# KiCad board Master Timing Card.kicad_pcb (continued)
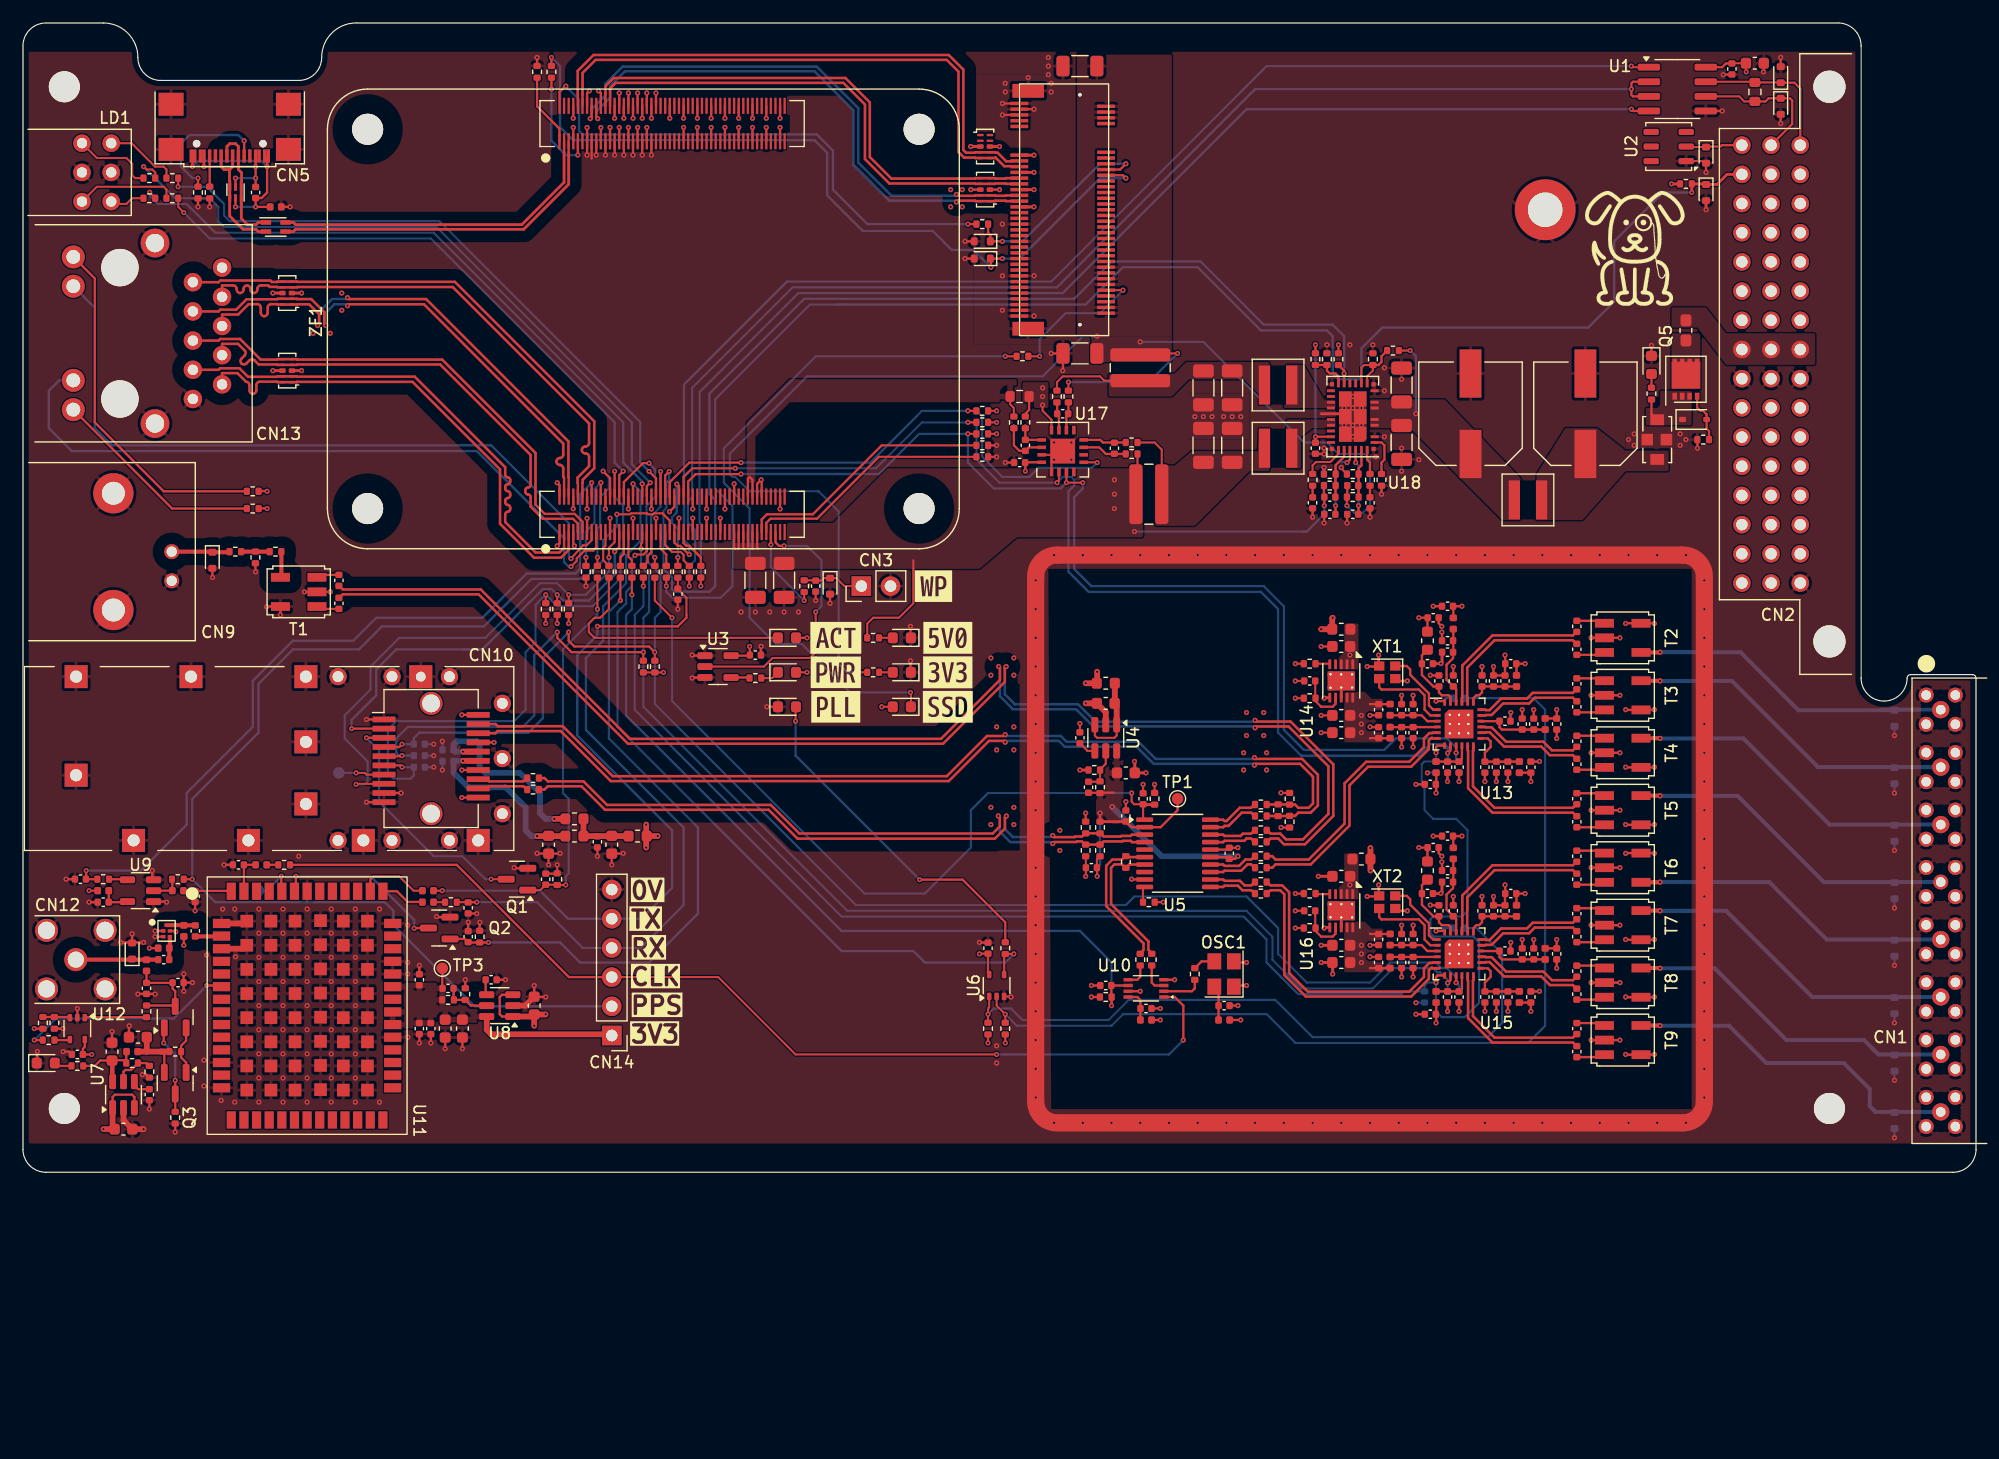
[diagram p0: board, top side]
## Footprints (pads in the part's own frame, mm; a bottom-side part is the same pattern mirrored in y, then rotated) (continued)
TE_1-2301994-2
  round 3.25 hole 3.25 unplated: (-5.715,8.44) (5.715,8.44)
  round 1.6 hole 0.9: 1(-5.715,17.33) 2(-4.445,14.79) 3(-3.175,17.33) 4(-1.905,14.79) 5(-0.635,17.33) 6(0.635,14.79) 7(1.905,17.33) 8(3.175,14.79) 9(4.445,17.33) 10(5.715,14.79)
  round 2.5 hole 1.6: 11(-7.855,11.49) 11(7.855,11.49)
  round 2 hole 1.2: L1(-6.645,4.38) L2(-4.095,4.38) L3(6.645,4.38) L4(4.095,4.38)
TestPoint_Pad_D1.0mm
  round 1 smd: 1(0,0)
Texas_VQFN-16-1EP_RGV0016A
  rect 0.75x0.305 smd: 1(-1.825,0.975) 2(-1.825,0.325) 3(-1.825,-0.325) 4(-1.825,-0.975) 9(1.825,-0.975) 10(1.825,-0.325) 11(1.825,0.325) 12(1.825,0.975)
  rect 0.305x0.75 smd: 5(-0.975,-1.825) 6(-0.325,-1.825) 7(0.325,-1.825) 8(0.975,-1.825) 13(0.975,1.825) 14(0.325,1.825) 15(-0.325,1.825) 16(-0.975,1.825)
  rect 2.16x2.16 smd: 17(0,0)
TPD4E05U06DQA
  rrect 0.565x0.2 smd: 1(-0.417,1) 2(-0.417,0.5) 4(-0.417,-0.5) 5(-0.417,-1) 6(0.417,-1) 7(0.417,-0.5) 9(0.417,0.5) 10(0.417,1)
  rrect 0.565x0.4 smd: 3(-0.417,0) 8(0.417,0)
TSOC-6_3.76x3.94mm_P1.27mm
  rrect 1.33x0.53 smd: 1(-1.525,1.27) 2(-1.525,0) 3(-1.525,-1.27) 4(1.525,-1.27) 5(1.525,0) 6(1.525,1.27)
TSSOP-20_4.4x6.5mm_P0.65mm
  rrect 1.475x0.4 smd: 1(-2.862,2.925) 2(-2.862,2.275) 3(-2.862,1.625) 4(-2.862,0.975) 5(-2.862,0.325) 6(-2.862,-0.325) 7(-2.862,-0.975) 8(-2.862,-1.625) 9(-2.862,-2.275) 10(-2.862,-2.925) 11(2.862,-2.925) 12(2.862,-2.275) 13(2.862,-1.625) 14(2.862,-0.975) 15(2.862,-0.325) 16(2.862,0.325) 17(2.862,0.975) 18(2.862,1.625) 19(2.862,2.275) 20(2.862,2.925)
TVS_ST_USBLC6-2M6
  rect 0.25x0.65 smd: 1(-0.5,-0.475) 2(0,-0.475) 3(0.5,-0.475) 4(0.5,0.475) 5(0,0.475) 6(-0.5,0.475)
uBlox_ZED
  rect 1.55x0.75 smd: (-9.95,6.6) (-9.95,5.5) (-9.95,4.4) (-9.95,3.3) (-9.95,2.2) (-9.95,1.1) (-9.95,0) (-9.95,-1.1) (-9.95,-2.2) (-9.95,-3.3) (-9.95,-4.4) (-9.95,-5.5) (-9.95,-6.6) (9.95,6.6) (9.95,5.5) (9.95,4.4) (9.95,3.3) (9.95,2.2) (9.95,1.1) (9.95,0) (9.95,-1.1) (9.95,-2.2) (9.95,-3.3) (9.95,-4.4) (9.95,-5.5) (9.95,-6.6)
  rect 0.75x1.55 smd: (-7.15,7.45) (-7.15,-7.45) (-6.05,7.45) (-6.05,-7.45) (-4.95,7.45) (-4.95,-7.45) (-3.85,7.45) (-3.85,-7.45) (-2.75,7.45) (-2.75,-7.45) (-1.65,7.45) (-1.65,-7.45) (-0.55,7.45) (-0.55,-7.45) (0.55,7.45) (0.55,-7.45) (1.65,7.45) (1.65,-7.45) (2.75,7.45) (2.75,-7.45) (3.85,7.45) (3.85,-7.45) (4.95,7.45) (4.95,-7.45) (6.05,7.45) (6.05,-7.45) (7.15,7.45) (7.15,-7.45)
  rect 0.8x1.5 smd: 1(-7.15,-7.45) 2(-6.05,-7.45) 3(-4.95,-7.45) 4(-3.85,-7.45) 5(-2.75,-7.45) 6(-1.65,-7.45) 7(-0.55,-7.45) 8(0.55,-7.45) 9(1.65,-7.45) 10(2.75,-7.45) 11(3.85,-7.45) 12(4.95,-7.45) 13(6.05,-7.45) 14(7.15,-7.45) 28(7.15,7.45) 29(6.05,7.45) 30(4.95,7.45) 31(3.85,7.45) 32(2.75,7.45) 33(1.65,7.45) 34(0.55,7.45) 35(-0.55,7.45) 36(-1.65,7.45) 37(-2.75,7.45) 38(-3.85,7.45) 39(-4.95,7.45) 40(-6.05,7.45) 41(-7.15,7.45)
  rect 1.5x0.8 smd: 15(9.95,-6.6) 16(9.95,-5.5) 17(9.95,-4.4) 18(9.95,-3.3) 19(9.95,-2.2) 20(9.95,-1.1) 21(9.95,0) 22(9.95,1.1) 23(9.95,2.2) 24(9.95,3.3) 25(9.95,4.4) 26(9.95,5.5) 27(9.95,6.6) 42(-9.95,6.6) 43(-9.95,5.5) 44(-9.95,4.4) 45(-9.95,3.3) 46(-9.95,2.2) 47(-9.95,1.1) 48(-9.95,0) 49(-9.95,-1.1) 50(-9.95,-2.2) 51(-9.95,-3.3) 52(-9.95,-4.4) 53(-9.95,-5.5) 54(-9.95,-6.6)
  rect 1.1x1.1 smd: 55(-7.39,1.171) 55(-7.35,5.25) 55(-7.35,3.15) 55(-7.35,-1.05) 55(-7.35,-3.15) 55(-7.35,-5.25) 55(-5.29,1.171) 55(-5.25,5.25) 55(-5.25,3.15) 55(-5.25,-1.05) 55(-5.25,-3.15) 55(-5.25,-5.25) 55(-3.19,1.171) 55(-3.15,5.25) 55(-3.15,3.15) 55(-3.15,-1.05) 55(-3.15,-3.15) 55(-3.15,-5.25) 55(-1.09,1.171) 55(-1.05,5.25) 55(-1.05,3.15) 55(-1.05,-1.05) 55(-1.05,-3.15) 55(-1.05,-5.25) 55(1.01,1.171) 55(1.05,5.25) 55(1.05,3.15) 55(1.05,-1.05) 55(1.05,-3.15) 55(1.05,-5.25) 55(3.11,1.171) 55(3.15,5.25) 55(3.15,3.15) 55(3.15,-1.05) 55(3.15,-3.15) 55(3.15,-5.25) 55(5.21,1.171) 55(5.25,5.25) 55(5.25,3.15) 55(5.25,-1.05) 55(5.25,-3.15) 55(5.25,-5.25) 55(7.31,1.171) 55(7.35,5.25) 55(7.35,3.15) 55(7.35,-1.05) 55(7.35,-3.15) 55(7.35,-5.25)
USB-C_GCT_USB4110-GF-A
  round 0.65 hole 0.65 unplated: (-2.89,6.28) (2.89,6.28)
  rect 0.3x1.15 smd: A1(-3.35,7.355) A4(-2.55,7.355) A5(-1.25,7.355) A6(-0.25,7.355) A7(0.25,7.355) A8(1.25,7.355) A9(2.55,7.355) A12(3.35,7.355) B1(3.05,7.355) B4(2.25,7.355) B5(1.75,7.355) B6(0.75,7.355) B7(-0.75,7.355) B8(-1.75,7.355) B9(-2.25,7.355) B12(-3.05,7.355)
  rect 2.18x2 smd: SH(-5.11,6.78) SH(-5.11,2.85) SH(5.11,6.78) SH(5.11,2.85)
VSSOP-8_2.3x2mm_P0.5mm
  rect 0.8x0.3 smd: 1(-1.55,0.75) 2(-1.55,0.25) 3(-1.55,-0.25) 4(-1.55,-0.75) 5(1.55,-0.75) 6(1.55,-0.25) 7(1.55,0.25) 8(1.55,0.75)
Wurth_WCAP-HSG5_8x10.5mm_SM
  rect 4.2x1.9 smd: 1(3.5,0) 2(-3.5,0)

## Nets
0V: C1.2 C2.2 C3.2 C4.2 C5.2 C6.2 C9.2 C10.2 C11.2 C12.2 C13.2 C15.2 C16.2 C17.2 C18.2 C19.2 C22.2 C23.2 C24.2 C25.2 C26.2 C27.2 C28.2 C29.2 C30.2 C31.2 C32.2 C33.2 C34.2 C35.2 C36.2 C37.2 C38.2 C39.2 C41.2 C42.2 C43.2 C44.2 C45.2 C46.2 C47.2 C48.2 C49.2 C50.2 C51.2 C52.2 C53.2 C54.2 C56.2 C58.2 C59.2 C60.2 C61.2 C62.2 C63.2 C64.2 C65.2 C66.2 C67.2 C68.2 C69.2 C70.2 C71.2 C72.2 C73.2 C74.2 C75.2 C76.2 C77.2 C78.2 C79.2 C80.2 C81.2 C82.2 C83.2 C84.2 C85.2 C86.2 C87.2 C88.2 C89.2 C90.2 C91.2 C92.2 C101.2 C102.2 C103.2 C104.2 C105.2 C106.2 C107.2 C108.2 C109.2 C110.2 C111.2 C112.2 C113.2 C114.2 C115.2 C116.2 C117.2 C118.2 C119.2 C120.2 C121.2 C122.2 C123.2 C124.2 C125.2 C126.2 C127.2 C128.2 C129.2 C130.2 C131.2 C132.2 C133.2 C134.2 C135.2 C144.2 C146.2 C147.2 C148.2 C149.2 C150.2 C151.2 C152.2 C153.2 C154.2 C155.2 C156.2 C157.2 C158.2 CN1.SH1 CN1.SH2 CN1.SH3 CN1.SH4 CN1.SH5 CN1.SH6 CN1.SH7 CN1.SH8 CN2.a9 CN2.a16 CN2.b9 CN2.c9 CN3.2 CN4.1 CN4.2 CN4.7 CN4.8 CN4.13 CN4.14 CN4.22 CN4.23 CN4.32 CN4.33 CN4.42 CN4.43 CN4.52 CN4.53 CN4.59 CN4.60 CN4.65 CN4.66 CN4.71 CN4.74 CN4.98 CN5.SH CN6.107 CN6.108 CN6.113 CN6.114 CN6.115 CN6.117 CN6.119 CN6.120 CN6.121 CN6.123 CN6.125 CN6.126 CN6.127 CN6.128 CN6.129 CN6.130 CN6.131 CN6.132 CN6.133 CN6.134 CN6.135 CN6.136 CN6.137 CN6.138 CN6.139 CN6.140 CN6.141 CN6.142 CN6.144 CN6.150 CN6.155 CN6.156 CN6.161 CN6.162 CN6.167 CN6.168 CN6.173 CN6.174 CN6.179 CN6.180 CN6.185 CN6.186 CN6.191 CN6.192 CN6.197 CN6.198 CN7.1 CN7.3 CN7.9 CN7.15 CN7.21 CN7.27 CN7.33 CN7.39 CN7.45 CN7.51 CN7.57 CN7.71 CN7.73 CN7.75 CN7.76 CN8.1 CN9.2 CN10.1 CN11.1 CN11.9 CN11.10 CN11.11 CN11.14 CN11.17 CN11.20 CN12.2 CN13.10 CN13.11 CN14.6 D1.2 D2.2 D3.2 D4.2 D5.2 D6.2 D7.2 D8.2 D9.2 D10.2 D11.2 D12.2 D14.3 D14.8 D15.2 D16.2 D17.3 D17.8 D18.2 D19.2 D20.3 D20.8 D21.3 D21.8 D22.2 FB1.1 FL2.2 FL2.3 FL2.5 FL3.2 L3.2 L4.2 LD1.2 LD1.5 LD5.1 LD6.1 LD7.1 LD8.1 LD9.1 OSC1.1 OSC1.2 Q1.2 Q2.2 R14.1 R15.1 R24.2 R31.2 R32.2 R33.1 R37.2 R39.2 R42.2 R43.2 R46.2 R52.1 R53.2 R60.2 R62.2 R71.2 R73.2 R74.2 R78.2 R80.2 R83.2 R86.2 R88.2 R91.2 R93.2 R94.2 R98.2 R100.2 R103.2 R109.2 R111.2 SH1.1 T1.2 T1.4 T2.2 T2.4 T3.2 T3.6 T4.2 T4.6 T5.2 T5.6 T6.2 T6.4 T7.2 T7.6 T8.2 T8.6 T9.2 T9.6 U1.5 U2.1 U3.1 U3.3 U4.2 U5.9 U5.16 U6.3 U7.2 U8.2 U9.1 U9.3 U10.4 U10.7 U11.1 U11.3 U11.12 U11.14 U11.32 U11.37 U11.38 U11.41 U11.48 U11.55 U12.2 U13.25 U14.8 U14.11 U15.25 U16.8 U16.11 U17.3 U17.5 U17.17 U18.2 U18.10 U18.33 U18.34 U18.35 U18.36 U18.37 U18.38 U18.MNT XT1.2 XT1.4 XT2.2 XT2.4
1V8: CN4.88 CN4.90 FB6.2
3V3: C1.1 C2.1 C3.1 C19.1 C56.1 C83.1 C126.1 C154.1 CN4.78 FB3.1 FB4.2 FB8.2 FB20.1 FB29.1 LD2.2 LD3.2 LD4.2 R7.1 R8.1 R10.1 R11.1 R17.1 R25.1 R26.1 R28.2 R29.1 R45.1 R47.1 R82.1 R89.1 R90.1 R96.1 R104.1 R105.1 U1.8 U3.5 U6.5 U12.5 U17.4 U17.16
3V3_PCIE: C9.1 C10.1 C160.1 CN7.2 CN7.4 CN7.12 CN7.14 CN7.16 CN7.18 CN7.70 CN7.72 CN7.74 R107.2 R110.1 R113.1 R117.1
5V0_PI: C4.1 C5.1 C32.1 C33.1 C159.1 CN4.77 CN4.79 CN4.81 CN4.83 CN4.85 CN4.87 FB2.1 FB19.1 FB28.1 R106.2 R108.1 R112.1 R115.1 U7.1 U7.3 U8.1 U8.3
12V: CN2.a8 CN2.b8 CN2.c8 F1.1
/GPS/VCC_GNSS: C40.1 C42.1 C43.1 C50.1 C51.1 C52.1 CN14.1 R72.1 TP3.1 U8.6 U11.33 U11.34 U11.36
/Pi CM4 - GPIO/3V3_R: CN4.84 CN4.86 R28.1 R30.1
/Pi CM4 - GPIO/3V3_SENSE_N: C7.1 R29.2 U17.1
/Pi CM4 - GPIO/3V3_SENSE_P: C7.2 R30.2 U17.2
/PLL and SFP/Frequency Synthesiser 1/1V8_PLL: C58.1 C59.1 C60.1 C61.1 C62.1 C63.1 C64.1 C91.1 C92.1 FB12.1 FB13.1 FB14.1 FB15.1 FB16.1 FB17.1 FB18.1 U14.9 U14.10
/PLL and SFP/Frequency Synthesiser 1/1V8_VDDA: C71.1 C78.1 FB18.2 U13.23
/PLL and SFP/Frequency Synthesiser 1/1V8_VDDO0: C65.1 C72.1 C79.1 FB12.2 U13.22
/PLL and SFP/Frequency Synthesiser 1/1V8_VDDO1: C66.1 C73.1 C80.1 FB13.2 U13.19
/PLL and SFP/Frequency Synthesiser 1/1V8_VDDO2: C67.1 C74.1 C81.1 FB14.2 U13.16
/PLL and SFP/Frequency Synthesiser 1/1V8_VDDO3: C68.1 C75.1 C82.1 FB15.2 U13.13
/PLL and SFP/Frequency Synthesiser 1/1V8_VDDREF: C70.1 C77.1 FB17.2 U13.4
/PLL and SFP/Frequency Synthesiser 1/1V8_VDDXO: C69.1 C76.1 FB16.2 U13.3
/PLL and SFP/Frequency Synthesiser 1/3V3_VDDD: C86.1 C88.1 FB20.2 U13.10
/PLL and SFP/Frequency Synthesiser 1/VIN: C85.1 FB19.2 U14.1 U14.2 U14.3 U14.6
/PLL and SFP/Frequency Synthesiser 2/1V8_PLL: C101.1 C102.1 C103.1 C104.1 C105.1 C106.1 C107.1 C134.1 C135.1 FB21.1 FB22.1 FB23.1 FB24.1 FB25.1 FB26.1 FB27.1 U16.9 U16.10
/PLL and SFP/Frequency Synthesiser 2/1V8_VDDA: C114.1 C121.1 FB27.2 U15.23
/PLL and SFP/Frequency Synthesiser 2/1V8_VDDO0: C108.1 C115.1 C122.1 FB21.2 U15.22
/PLL and SFP/Frequency Synthesiser 2/1V8_VDDO1: C109.1 C116.1 C123.1 FB22.2 U15.19
/PLL and SFP/Frequency Synthesiser 2/1V8_VDDO2: C110.1 C117.1 C124.1 FB23.2 U15.16
/PLL and SFP/Frequency Synthesiser 2/1V8_VDDO3: C111.1 C118.1 C125.1 FB24.2 U15.13
/PLL and SFP/Frequency Synthesiser 2/1V8_VDDREF: C113.1 C120.1 FB26.2 U15.4
/PLL and SFP/Frequency Synthesiser 2/1V8_VDDXO: C112.1 C119.1 FB25.2 U15.3
/PLL and SFP/Frequency Synthesiser 2/3V3_VDDD: C129.1 C131.1 FB29.2 U15.10
/PLL and SFP/Frequency Synthesiser 2/VIN: C128.1 FB28.2 U16.1 U16.2 U16.3 U16.6
/PLL and SFP/VDD_MUX: C13.1 C14.1 C15.1 C17.1 C18.1 R38.1 R40.1 R41.1 TP1.1 U4.6 U5.2 U5.15
/Power Supplies/3V3_R: C156.1 C158.1 L8.2 R107.1 R116.1
/Power Supplies/5V0_R: C155.1 C157.1 L7.2 R106.1 R114.1
/Power Supplies/5V0_SENSE_N: C161.2 R115.2 U17.11
/Power Supplies/5V0_SENSE_P: C161.1 R114.2 U17.12
/Power Supplies/12V_DCDC: C146.1 C147.1 C148.1 L6.2 R97.1 U18.4 U18.5 U18.7 U18.8
/Power Supplies/12V_F: F1.2 Q5.5 Q5.6 Q5.7 Q5.8
/Power Supplies/12V_FILT: C144.1 FL3.3 L6.1
/Power Supplies/12V_PROT: FL3.1 Q5.1 Q5.2 Q5.3 R95.1 ZD1.1
/CM4 Interfaces/ETHA_N: CN4.10 CN13.3 D21.4 D21.7
/CM4 Interfaces/ETHA_P: CN4.12 CN13.2 D21.5 D21.6
/CM4 Interfaces/ETHB_N: CN4.6 CN13.5 D21.1 D21.10
/CM4 Interfaces/ETHB_P: CN4.4 CN13.4 D21.2 D21.9
/CM4 Interfaces/ETHC_N: CN4.9 CN13.7 D20.4 D20.7
/CM4 Interfaces/ETHC_P: CN4.11 CN13.6 D20.5 D20.6
/CM4 Interfaces/ETHD_N: CN4.5 CN13.9 D20.1 D20.10
/CM4 Interfaces/ETHD_P: CN4.3 CN13.8 D20.2 D20.9
/CM4 Interfaces/PTP_PPS: C31.1 CN4.16 R66.1
/CM4 Interfaces/~{ETH_ACT}: CN4.15 CN13.L2
/CM4 Interfaces/~{ETH_LINK}: CN4.17 CN13.L4
/GPS/CLK_SEL: C38.1 R12.1 R74.1 U10.6
/GPS/GNSS_CLK: CN14.3 R75.1 U10.1
/GPS/GNSS_CLK_M: C44.1 FB7.2 U11.53
/GPS/GNSS_PPS: CN4.49 CN14.2 R69.1
/GPS/GNSS_PPS_M: C39.1 FB5.2 U11.54
/GPS/GNSS_RESET: C48.1 Q2.1 R18.2 R78.1
/GPS/GNSS_RX: C46.1 CN4.34 CN14.4 R77.2
/GPS/GNSS_TX: C47.1 CN14.5 FB11.1 R9.2
/GPS/REF_CLK_N: R44.2 R68.1 U5.7
/GPS/REF_CLK_P: R44.1 R67.1 U5.6
/GPS/~{ANT_SHORT}: R85.2 U11.6
/ONEWIRE_ADDRESS: CN2.c2 D22.1 R23.2 R96.2
/Pi CM4 - GPIO/COMMS_GREEN: CN4.28 R4.1
/Pi CM4 - GPIO/COMMS_RED: CN4.40 R3.1
/Pi CM4 - GPIO/PCIE_PWR_GOOD: CN4.48 R105.2 U18.15
/Pi CM4 - GPIO/PWR_CRITICAL: CN4.50 R104.2 U17.9
/Pi CM4 - GPIO/STATUS_GREEN: CN4.38 R2.1
/Pi CM4 - GPIO/STATUS_RED: CN4.44 R1.1
/Pi CM4 - HPIO/D_N: CN6.103 FL1.2
/Pi CM4 - HPIO/D_P: CN6.105 FL1.4
/Pi CM4 - HPIO/PCIE_PER0_N: CN6.118 CN7.41 D17.1 D17.10
/Pi CM4 - HPIO/PCIE_PER0_P: CN6.116 CN7.43 D17.2 D17.9
/Pi CM4 - HPIO/PCIE_PET0_N: CN6.124 CN7.47 D17.4 D17.7
/Pi CM4 - HPIO/PCIE_PET0_P: CN6.122 CN7.49 D17.5 D17.6
/Pi CM4 - HPIO/PCIE_REFCLK_N: CN6.112 CN7.53 D14.5 D14.6
/Pi CM4 - HPIO/PCIE_REFCLK_P: CN6.110 CN7.55 D14.4 D14.7
/Pi CM4 - HPIO/USB_N: CN5.A7 CN5.B7 D13.3 D13.4 FL1.1
/Pi CM4 - HPIO/USB_P: CN5.A6 CN5.B6 D13.1 D13.6 FL1.3
/Pi CM4 - HPIO/~{PCIE_CLK_REQ}: CN6.102 R35.1
/Pi CM4 - HPIO/~{PCIE_RST}: CN7.50 D15.1 R34.2
/PLL and SFP/CLK_SEL: C16.1 R19.2 R43.1 U5.1
/PLL and SFP/CLKA_N: R50.1 U5.19
/PLL and SFP/CLKA_P: R49.1 U5.20
/PLL and SFP/CLKB_N: R55.1 U5.17
/PLL and SFP/CLKB_P: R54.1 U5.18
/PLL and SFP/CLKC_N: R57.1 U5.13
/PLL and SFP/CLKC_P: R56.1 U5.14
/PLL and SFP/CLKD_N: R59.1 U5.11
/PLL and SFP/CLKD_P: R58.1 U5.12
/PLL and SFP/EXT_CLK_N: C21.1 R55.2
/PLL and SFP/EXT_CLK_P: C20.1 R54.2
/PLL and SFP/Frequency Synthesiser 1/RF1_N: C94.1 U13.21
/PLL and SFP/Frequency Synthesiser 1/RF1_P: C93.1 U13.20
/PLL and SFP/Frequency Synthesiser 1/RF2_N: C96.1 U13.17
/PLL and SFP/Frequency Synthesiser 1/RF2_P: C95.1 U13.18
/PLL and SFP/Frequency Synthesiser 1/RF3_N: C98.1 U13.14
/PLL and SFP/Frequency Synthesiser 1/RF3_P: C97.1 U13.15
/PLL and SFP/Frequency Synthesiser 1/RF4_N: C100.1 U13.11
/PLL and SFP/Frequency Synthesiser 1/RF4_P: C99.1 U13.12
/PLL and SFP/Frequency Synthesiser 1/~{PLL_LOCK_OD}: R45.2 R87.2 U6.2
/PLL and SFP/Frequency Synthesiser 2/RF1_N: C137.1 U15.21
/PLL and SFP/Frequency Synthesiser 2/RF1_P: C136.1 U15.20
/PLL and SFP/Frequency Synthesiser 2/RF2_N: C139.1 U15.17
/PLL and SFP/Frequency Synthesiser 2/RF2_P: C138.1 U15.18
/PLL and SFP/Frequency Synthesiser 2/RF3_N: C141.1 U15.14
/PLL and SFP/Frequency Synthesiser 2/RF3_P: C140.1 U15.15
/PLL and SFP/Frequency Synthesiser 2/RF4_N: C143.1 U15.11
/PLL and SFP/Frequency Synthesiser 2/RF4_P: C142.1 U15.12
/PLL and SFP/Frequency Synthesiser 2/~{PLL_LOCK_OD}: R47.2 R92.2 U6.1
/PLL and SFP/PLL1_CLK_N: R57.2 U13.6
/PLL and SFP/PLL1_CLK_P: R56.2 U13.5
/PLL and SFP/PLL1_SCL: C87.1 CN4.56 R8.2 U13.8 U17.6
/PLL and SFP/PLL1_SDA: C89.1 CN4.58 R7.2 U13.9 U17.7
/PLL and SFP/PLL2_CLK_N: R59.2 U15.6
/PLL and SFP/PLL2_CLK_P: R58.2 U15.5
/PLL and SFP/PLL2_SCL: C26.1 C130.1 CN4.37 CN11.5 R11.2 U15.8
/PLL and SFP/PLL2_SDA: C25.1 C132.1 CN4.30 CN11.4 R10.2 U15.9
/PLL and SFP/PLL_LOCK: CN4.39 R48.2 U6.4
/PLL and SFP/PLL_OE: C84.1 C127.1 R21.2 U13.7 U15.7
/PLL and SFP/REFCLK_R_N: CN11.13 R65.2
/PLL and SFP/REFCLK_R_P: CN11.12 R64.2
/PLL and SFP/SFP_LOS_OD: CN4.25 CN11.8 R26.2
/PLL and SFP/SFP_REFCLK_N: R39.1 R40.2 R65.1 U5.4
/PLL and SFP/SFP_REFCLK_P: R37.1 R38.2 R64.1 U5.3
/PLL and SFP/SFP_TX_DISABLE: C22.1 Q1.1 R22.2 R60.1
/PLL and SFP/SFP_TX_FAULT_OD: CN4.27 CN11.2 R17.2
/PLL and SFP/SFP_TX_N: CN11.19 R50.2 R51.2 R53.1
/PLL and SFP/SFP_TX_P: CN11.18 R49.2 R51.1 R52.2
/PLL and SFP/~{SFP_PRESENT}: C29.1 CN4.26 CN11.6 R25.2
/Power Supplies/PCIE_SENSE_N: C162.2 R117.2 U17.14
/Power Supplies/PCIE_SENSE_P: C162.1 R116.2 U17.15
/Power Supplies/SW1: L7.1 U18.22 U18.23
/Power Supplies/SW2: L8.1 U18.19 U18.20
/RF1: CN1.1 D1.1 T2.6
/RF2: CN1.2 D2.1 T3.4
/RF3: CN1.3 D3.1 T4.4
/RF4: CN1.4 D4.1 T5.4
/RF5: CN1.5 D5.1 T6.6
/RF6: CN1.6 D7.1 T7.4
/RF7: CN1.7 D8.1 T8.4
/RF8: CN1.8 D11.1 T9.4
/RS485_A: CN2.b1 D9.1 R5.2 U1.6
/RS485_B: CN2.a1 D10.1 R5.1 U1.7
/RS485_RX: CN4.51 U1.1
/RS485_TX: R13.2 U1.4
/RS485_~{R}/W: R20.2 U1.2 U1.3
Net-(C8-Pad1): C8.1 CN5.A4 CN5.A9 CN5.B4 CN5.B9 D13.5
Net-(C8-Pad2): C8.2 CN5.A1 CN5.A12 CN5.B1 CN5.B12 D13.2 FB1.2
Net-(C20-Pad2): C20.2 T1.1
Net-(C21-Pad2): C21.2 T1.3
Net-(C23-Pad1): C23.1 C24.1 FB3.2 L1.1 L2.1
Net-(C93-Pad2): C93.2 T2.1
Net-(C94-Pad2): C94.2 T2.3
Net-(C95-Pad2): C95.2 T3.3
Net-(C96-Pad2): C96.2 T3.1
Net-(C97-Pad2): C97.2 T4.3
Net-(C98-Pad2): C98.2 T4.1
Net-(C99-Pad2): C99.2 T5.3
Net-(C100-Pad2): C100.2 T5.1
Net-(C136-Pad2): C136.2 T6.1
Net-(C137-Pad2): C137.2 T6.3
Net-(C138-Pad2): C138.2 T7.3
Net-(C139-Pad2): C139.2 T7.1
Net-(C140-Pad2): C140.2 T8.3
Net-(C141-Pad2): C141.2 T8.1
Net-(C142-Pad2): C142.2 T9.3
Net-(C143-Pad2): C143.2 T9.1
Net-(C152-Pad1): C152.1 R101.1
Net-(C153-Pad1): C153.1 R102.1
Net-(CN3-Pin_1): C6.1 CN3.1 D12.1 R16.2
Net-(CN4A-BT_nDisable): CN4.91 R15.2
Net-(CN4A-EEPROM_nWP): CN4.20 R24.1
Net-(CN4A-nPI_LED_PWR): CN4.95 U3.2
Net-(CN4A-nRPIBOOT): CN4.93 R16.1
Net-(CN4A-PI_nLED_Activity): CN4.21 R27.2
Net-(CN4A-WiFi_nDisable): CN4.89 R14.2
Net-(CN4D-GPIO4): CN4.54 R9.1
Net-(CN4D-GPIO12): CN4.31 R12.2
Net-(CN4D-GPIO14): CN4.55 R13.1
Net-(CN4D-GPIO16): CN4.29 R18.1
Net-(CN4D-GPIO22): CN4.46 R19.1
Net-(CN4D-GPIO23): CN4.47 R20.1
Net-(CN4D-GPIO24): CN4.45 R23.1
Net-(CN4D-GPIO25): CN4.41 R21.1
Net-(CN4D-GPIO26): CN4.24 R22.1
Net-(CN5-CC1): CN5.A5 R31.1
Net-(CN5-CC2): CN5.B5 R32.1
Net-(CN6A-PCIe_nRST): CN6.109 R34.1
Net-(CN6A-USB_OTG_ID): CN6.101 R33.2
Net-(CN7-~{CLKREQ}): CN7.52 D16.1 R35.2
Net-(CN7-~{LED1}): CN7.10 R36.2
Net-(CN9-In): CN9.1 D18.1 R63.2
Net-(CN11-RATE_SELECT): CN11.7 TP2.1
Net-(CN11-TX_DISABLE): CN11.3 Q1.3
Net-(CN11-VccR): C28.1 C30.1 CN11.15 L2.2
Net-(CN11-VccT): C27.1 CN11.16 L1.2
Net-(CN12-In): C57.2 CN12.1 D19.1 L5.2
Net-(CN13-PadL1): CN13.L1 R89.2
Net-(CN13-PadL3): CN13.L3 R90.2
Net-(D6-K): CN2.c1 D6.1 U2.2
Net-(FB5-Pad1): FB5.1 R69.2 U9.2
Net-(FB7-Pad1): FB7.1 R75.2
Net-(FB10-Pad1): FB10.1 R77.1
Net-(FL2-IN): C55.1 FL2.1 L3.1
Net-(FL2-OUT): C57.1 FL2.4 L4.1
Net-(LD1-Pad1): LD1.1 R1.2
Net-(LD1-Pad3): LD1.3 R2.2
Net-(LD1-Pad4): LD1.4 R3.2
Net-(LD1-Pad6): LD1.6 R4.2
Net-(LD2-K): LD2.1 R6.1
Net-(LD3-K): LD3.1 R27.1
Net-(LD4-K): LD4.1 R36.1
Net-(LD5-A): LD5.2 R48.1
Net-(LD6-A): LD6.2 R76.2
Net-(LD7-A): LD7.2 R95.2
Net-(LD8-A): LD8.2 R112.2
Net-(LD9-A): LD9.2 R113.2
Net-(OSC1-OUT): OSC1.3 R79.2
Net-(OSC1-VCC): C45.1 FB8.1 OSC1.4
Net-(Q2-D): Q2.3 U11.49
Net-(Q3-B): Q3.1 Q4.2 R81.2
Net-(Q3-C): Q3.3 Q4.1 R80.1
Net-(Q3-E): C49.1 FB9.1 Q3.2 R81.1
Net-(Q4-C): C53.1 C54.1 L5.1 Q4.3 R84.1
Net-(R6-Pad2): R6.2 U3.4
Net-(R61-Pad1): R61.1 T1.6
Net-(R61-Pad2): R61.2 R62.1 R63.1
Net-(R66-Pad2): R66.2 U9.4
Net-(R85-Pad1): R85.1 U12.4
Net-(U4-EN): C11.1 FB2.2 U4.1 U4.3
Net-(U4-FB): C14.2 R41.2 R42.1 U4.5
Net-(U4-NR): C12.1 U4.4
Net-(U5-IREF): R46.1 U5.10
Net-(U7-FB): R70.2 R71.1 U7.5
Net-(U7-NR): C34.1 U7.4
Net-(U7-OUT): C41.1 FB9.2 R70.1 R76.1 U7.6
Net-(U8-FB): C40.2 R72.2 R73.1 U8.5
Net-(U8-NR): C35.1 U8.4
Net-(U9-+): C37.1 FB6.1 U9.5
Net-(U10-B): R79.1 U10.2
Net-(U10-VCC): C36.1 FB4.1 U10.8
Net-(U10-Y): R67.2 U10.5
Net-(U10-~{Y}): R68.2 U10.3
Net-(U11-RF_IN): C55.2 U11.2
Net-(U11-RXD/SPI_MOSI): FB11.2 U11.43
Net-(U11-TXD/SPI_MISO): FB10.2 U11.42
Net-(U11-~{SAFEBOOT}): TP4.1 U11.50
Net-(U12-+): R84.2 U12.1
Net-(U12--): R82.2 R83.1 U12.3
Net-(U13-LOCK): R87.1 U13.24
Net-(U13-XIN/REF): U13.1 XT1.1
Net-(U13-XOUT): U13.2 XT1.3
Net-(U14-ILIM): R86.1 U14.5
Net-(U14-SET): C90.1 R88.1 U14.7
Net-(U15-LOCK): R92.1 U15.24
Net-(U15-XIN/REF): U15.1 XT2.1
Net-(U15-XOUT): U15.2 XT2.3
Net-(U16-ILIM): R91.1 U16.5
Net-(U16-SET): C133.1 R93.1 U16.7
Net-(U18-EN1): R97.2 R98.1 U18.11 U18.12
Net-(U18-FB1): C159.2 R108.2 R109.1 U18.28
Net-(U18-FB2): C160.2 R110.2 R111.1 U18.31
Net-(U18-RT): R103.1 U18.1
Net-(U18-SS1): C150.1 U18.29
Net-(U18-SS2): C151.1 U18.30
Net-(U18-SYNC): R99.2 R100.1 U18.16
Net-(U18-VC1): R101.2 U18.27
Net-(U18-VC2): R102.2 U18.32
Net-(U18-VCC): C149.1 R99.1 U18.25
Net-(ZD1-A): Q5.4 R94.1 ZD1.2

Pads without a net: CN2 a2 a3 a4 a5 a6 a7 a10 a11 a12 a13 a14 a15 b2 b3 b4 b5 b6 b7 b10 b11 b12 b13 b14 b15 b16 c3 c4 c5 c6 c7 c10 c11 c12 c13 c14 c15 c16; CN4 18 19 35 36 57 61 62 63 64 67 68 69 70 72 73 75 76 80 82 92 94 96 97 99 100; CN5 A8 B8; CN6 104 106 111 143 145 146 147 148 149 151 152 153 154 157 158 159 160 163 164 165 166 169 170 171 172 175 176 177 178 181 182 183 184 187 188 189 190 193 194 195 196 199 200; CN7 5 6 7 8 11 13 17 19 20 22 23 24 25 26 28 29 30 31 32 34 35 36 37 38 40 42 44 46 48 54 56 58 67 68 69; CN13 1; D14 1 2 9 10; U2 3 4 5 6; U5 5 8; U11 4 5 7 8 9 10 11 13 15 16 17 18 19 20 21 22 23 24 25 26 27 28 29 30 31 35 39 40 44 45 46 47 51 52; U14 4; U16 4; U17 8 10 13; U18 13 14 17 18 24 26

## Via types
v1: diameter 0.45, hole 0.2, Top to Bottom, 800 vias

## Routing (per net, layer and track width the routed paths; a pad name or vN(x,y) marks a point on that pad's centre or on a via; arc(x,y) is an arc through that point)
0V: length 347.8
  Top w0.18: U2.1 146.32,87.98 ; R14.1 v1(84.75,63.25) ; R111.2 114.75,61.24 v1(114.75,61.32) ; C1.2 151.53,95.78 v1(151.5,95.75) ; C80.2 v1(127,44) ; C47.2 v1(57,49) ; v1(51.25,26.75) C23.2 52.22,27.72 v1(52.25,27.75) ; C154.2 v1(85.5,61.75) ; U17.5 89.53,61.77 ; v1(85.25,93) CN7.75 ; C85.2 v1(113,45.75) ; v1(46.75,27.75) 46.72,27.72 C28.2 ; C28.2 v1(45.75,26.75) ; C28.2 44.78,27.72 v1(44.75,27.75) ; 92.52,27.47 C13.2 92.52,25.77 v1(92.5,25.75) ; v1(90.5,69.75) 90.53,69.78 C9.2 v1(89.5,71.25) ; R93.2 v1(110.75,21.25) ; v1(85.25,92) CN7.71 ; C16.2 v1(97.5,33.75) ; v1(77.25,44.5) 77.25,43.54 LD9.1 ; C12.2 v1(92,39.05) ; R88.2 v1(110.75,41.25) ; D6.2 v1(146.5,87) ; v1(109.5,33.01) R52.1 ; v1(26.75,50.5) T1.2 v1(24.5,50.5) ; Q1.2 42.81,26.45 v1(42.75,26.5) ; LD5.1 v1(64.75,40.5) ; v1(39.5,22.5) 39.48,22.52 C46.2 ; R15.1 v1(84.75,62.25) ; v1(77.25,47.5) 77.25,46.54 ; C90.2 v1(110.75,42.75) ; C92.2 v1(113,38.25) ; C22.2 46.47,25.98 R60.2 v1(46.5,26.75) ; FL2.5 13.2,21 13.27,20.92 ; C133.2 v1(110.75,22.75) ; v1(86,15.25) 85.95,15.3 U6.3 ; R46.2 v1(99.25,23.5) ; D12.2 v1(70.25,49.5) ; R24.2 v1(49,51) ; U17.3 90.18,62.42 ; R43.2 v1(98.5,33.75) ; R86.2 v1(110.75,44.25) ; C6.2 v1(69,49.75) ; C123.2 v1(127,24) ; v1(113.25,61.32) R109.2 ; R91.2 v1(110.75,24.25) ; CN7.73 v1(88,92.5) ; C91.2 v1(113,39.75)
  Top w0.2: v1(14,15.75) 13.98,15.77 C53.2 ; v1(120.5,42.75) 119.65,42.75 ; v1(49.1,90.9) CN6.113 v1(49.1,88.51) ; v1(50.1,94.1) 50.3,93.9 CN6.120 ; C62.2 117.27,39.77 v1(117.25,39.75) ; v1(132,35.75) 131.98,35.73 C61.2 ; v1(123.42,24.27) 123.4,24.25 C114.2 ; 113.25,57.23 v1(113.25,56.5) 113.27,56.52 ; CN6.131 v1(52.7,90.91) ; CN6.156 v1(57.5,91.71) ; v1(122.5,23.25) 122.52,23.23 C121.2 ; C45.2 v1(105.75,14.5) ; CN4.98 v1(65.9,57.71) ; CN6.142 v1(54.7,91.71) ; C74.2 v1(130.5,40.25) ; v1(21.2,49.2) 21.23,49.23 T1.4 22.41,48.51 v1(22.4,48.5) ; CN4.7 47.9,54.6 v1(48,54.5) ; CN6.140 v1(54.3,93.91) ; CN4.71 v1(60.7,56.91) ; D15.2 v1(82,79.5) ; L3.2 v1(14,19.75) ; v1(10,15.5) 10.02,15.52 C54.2 11.48,15.52 v1(11.5,15.5) ; C86.2 v1(124,34) ; C3.2 64.23,45.73 v1(64.25,45.75) ; U5.16 105.09,28.08 ; v1(9.25,12.75) 9.23,12.72 C49.2 ; C53.2 v1(14.75,16.5) ; C53.2 13.98,17.23 v1(14,17.25) ; CN6.130 v1(52.3,91.71) ; CN6.180 v1(62.3,91.71) ; v1(109.5,30) 109.51,29.99 R53.2 ; v1(29.9,32.2) 31.42,32.2 ; 122.75,24.25 123.5,24.25 ; v1(142,35.25) 141.98,35.23 T4.6 139.52,35.23 v1(139.5,35.25) ; C88.2 v1(125,34) ; v1(123.5,47.5) 123.23,47.77 C64.2 ; U5.9 96.53,25.47 v1(96.5,25.5) ; 45.47,15.28 v1(45.5,15.25) 44.53,15.25 ; v1(106.5,18.25) 105.5,18.25 ; R73.2 v1(38.5,16.75) ; C19.2 83.27,19.98 v1(83.25,20) ; CN6.137 v1(53.9,88.51) ; C131.2 v1(125,14) ; C111.2 v1(129.25,14) ; CN4.32 v1(52.7,57.71) ; C78.2 122.52,43.23 v1(122.5,43.25) ; C36.2 v1(99,14.25) ; R37.2 v1(92.5,31.25) ; C65.2 123.52,46.98 v1(123.5,47) ; CN11.20 v1(38.2,39.8) ; v1(142,15.25) 141.98,15.23 T8.6 139.52,15.23 v1(139.5,15.25) ; CN6.185 v1(63.5,90.91) ; CN6.129 v1(52.3,88.51) ; C38.2 v1(93,16.25) ; CN4.60 v1(58.3,57.71) ; FL2.3 v1(11.5,20.5) ; U1.5 v1(147.91,92.34) 147.81,92.44 ; C33.2 v1(44.5,16.25) ; v1(128,24) C116.2 C109.2 129,24.23 ; CN6.198 v1(65.9,91.71) ; CN6.155 v1(57.5,90.91) ; v1(117.25,19.75) 117.27,19.77 C105.2 ; U10.4 v1(100.25,16.75) ; CN6.128 v1(51.9,93.91) ; CN6.174 v1(61.1,91.71) ; CN4.1 46.7,54.7 v1(46.5,54.5) ; CN6.138 v1(53.9,91.71) ; v1(139,41.5) T3.2 v1(136.5,41.5) ; R103.2 v1(118.25,59) ; CN6.162 v1(58.7,91.71) ; U10.7 v1(97.25,15.75) ; C48.2 38.75,21.73 v1(38.77,21.75) ; CN6.139 v1(54.3,90.91) ; CN6.121 v1(50.7,88.51) ; CN6.141 v1(54.7,88.51) ; C153.2 v1(117.25,57) ; v1(123.42,44.27) 123.4,44.25 C71.2 ; v1(10.4,8.49) 10.75,8.49 R71.2 ; v1(47.9,57.73) 47.9,57.73 CN4.8 ; C102.2 129.02,24.98 ; C126.2 v1(121.25,13.75) ; CN6.119 v1(50.3,90.9) ; v1(142,47.75) 141.98,47.77 T2.4 139.52,47.77 v1(139.5,47.75) ; v1(142,40.25) 141.98,40.23 T3.6 139.52,40.23 v1(139.5,40.25) ; v1(132,15.75) 131.98,15.73 C104.2 ; D9.2 v1(153,91.25) ; R74.2 v1(93,15.25) ; C69.2 v1(120,41.5) ; C82.2 v1(127.25,34) ; v1(117,44) 118,44 ; v1(105.75,28.25) 105.73,28.23 C17.2 ; C24.2 v1(50,27.5) ; C75.2 v1(128.25,34) ; v1(139,21.5) T7.2 v1(136.5,21.5) ; v1(117,24) 118,24 ; v1(148,95.5) 148.77,95.5 ; v1(129.5,20) 129.48,19.98 C124.2 ; 31.42,39.4 v1(29.9,39.4) ; v1(46.5,60) 46.7,59.8 CN4.2 ; CN6.197 v1(65.9,90.91) ; 36.75,11.97 36.75,11 ; CN11.11 v1(38.2,32.6) ; v1(16.5,51.75) 16.48,51.77 D18.2 ; v1(117.25,18.75) 117.27,18.73 C106.2 ; v1(3.48,12.5) 3.47,12.49 R83.2 ; C81.2 129.48,39.98 v1(129.5,40) ; C120.2 v1(121,17) ; CN6.135 v1(53.5,90.91) ; CN6.125 v1(51.5,88.51) ; CN4.53 v1(57.1,56.91) ; C101.2 v1(122.75,29.25) ; C60.2 v1(133.5,37.75) ; C107.2 123.23,27.77 v1(123.5,27.5) ; CN6.114 49.1,93.9 v1(49.3,94.1) ; v1(139,31.5) T5.2 v1(136.5,31.5) ; C68.2 v1(129.25,34) ; C70.2 v1(120,37) ; CN6.123 v1(51.1,90.91) ; CN4.66 v1(59.5,57.71) ; CN6.161 v1(58.7,90.91) ; CN6.115 49.5,88.2 ; v1(139,26.5) T6.2 v1(136.5,26.5) ; v1(10.5,20) 9.55,20 ; v1(123.5,27) 123.52,26.98 C108.2 ; C118.2 v1(128.25,14) ; D19.2 v1(9.5,20.75) ; C58.2 v1(122.75,49.25) ; v1(32.9,33) 31.42,33 ; v1(118,25) 118,24.1 ; D16.2 v1(82,81) ; CN6.150 v1(56.3,91.71) ; CN4.43 v1(55.1,56.91) ; C51.2 v1(35.5,11.25) ; v1(113.25,62.5) 112.48,62.5 C149.2 ; FL2.2 v1(11.5,21) ; CN6.168 v1(59.9,91.71) ; v1(139.5,20.25) 139.52,20.23 T7.6 141.98,20.23 v1(142,20.25) ; 96,31.38 96,32.14 ; R80.2 v1(13.25,3.5) ; C119.2 v1(121,21.5) ; C63.2 117.27,38.73 v1(117.25,38.75) ; U3.1 58.3,44.95 ; CN6.117 v1(49.9,88.51) ; CN11.17 v1(41,37.4) ; 18.25,26.75 v1(17.5,26.75) ; CN6.132 v1(52.7,93.91) ; v1(3.5,10.5) 4,10.5 C56.2 ; v1(142,30.25) 141.98,30.23 T5.6 139.52,30.23 v1(139.5,30.25) ; C59.2 129.02,44.98 ; U9.1 12.45,23.55 v1(12.5,23.5) ; CN4.52 56.7,57.9 v1(56.28,57.47) ; C35.2 v1(42,16.75) ; C117.2 v1(130.5,20.25) ; C83.2 v1(121.25,33.75) ; R31.2 v1(15.23,84) ; C52.2 v1(34.5,11.25) ; v1(1.25,10.5) 1.25,9.56 ; v1(136.5,46.5) T2.2 v1(139,46.5) ; CN4.22 v1(50.7,57.71) ; LD7.1 v1(141.75,71.95) ; CN4.33 v1(53.1,56.91) ; C129.2 v1(124,14) ; FB1.1 v1(23.25,84) ; C110.2 v1(131.5,20.25) ; C122.2 v1(124.5,24) ; U3.3 58.3,43.05 ; C103.2 v1(133.5,17.75) ; C31.2 v1(3.75,25.5) ; v1(112.25,57) C152.2 ; CN6.144 v1(55.1,93.91) ; CN4.65 v1(59.5,56.91) ; 129,44.23 C66.2 C73.2 v1(128,44) ; D17.3 v1(85,85.5) ; v1(139,36.5) T4.2 v1(136.5,36.5) ; C39.2 v1(14.98,22.75) ; CN4.23 v1(51.1,56.91) ; C37.2 v1(5.75,23.5) ; R78.2 39.75,21.73 v1(39.77,21.75) ; CN6.173 v1(61.1,90.91) ; C50.2 v1(34.5,18) ; v1(136.5,16.5) T8.2 v1(139,16.5) ; CN6.108 v1(47.9,91.71) ; C125.2 v1(127.25,14) ; CN4.74 v1(61.1,57.71) ; L4.2 v1(11,19.5) ; 115.25,57.23 v1(115.25,56.5) 115.27,56.52 ; CN6.136 v1(53.5,93.91) ; CN6.107 v1(47.9,90.91) ; CN11.14 v1(38.2,35) ; C77.2 v1(121,37) ; R62.2 20.23,52.27 v1(20.25,52.25) ; v1(139.5,10.25) 139.52,10.23 T9.6 141.98,10.23 v1(142,10.25) ; C67.2 v1(131.5,40.25) ; CN6.127 v1(51.9,90.91) ; C79.2 v1(124.5,44) ; D10.2 v1(153,97) ; v1(120.5,22.75) 119.65,22.75 ; v1(8.5,20) 9.45,20 ; CN4.13 v1(49.1,56.9) ; CN6.191 v1(64.7,90.91) ; CN6.133 v1(53.1,88.51) ; v1(136.5,11.5) T9.2 v1(139,11.5) ; CN6.134 v1(53.1,91.71) ; v1(145.75,63) 145.75,63.74 ; CN4.14 v1(49.1,57.71) ; C41.2 v1(7.75,12.25) ; C76.2 v1(121,41.5) ; C112.2 v1(120,21.5) ; U12.2 v1(4.73,14.25) ; CN4.59 v1(58.3,56.91) ; CN6.167 v1(59.9,90.91) ; CN6.192 v1(64.7,91.71) ; R32.2 v1(16.25,84) ; CN6.179 v1(62.3,90.91) ; CN4.42 v1(54.7,57.71) ; R33.1 v1(44.75,97) ; v1(106.5,16.25) 105.5,16.25 ; v1(118,45) 118,44.1 ; C34.2 v1(11,5.5) ; 122.75,44.25 123.5,44.25 ; C113.2 v1(120,17) ; v1(142,27.75) 141.98,27.77 T6.4 139.52,27.77 v1(139.5,27.75) ; 38.25,11.97 38.25,11 ; Q2.2 36.05,22.2 v1(36,22.25) ; D17.8 v1(82.5,85.5) ; CN6.186 v1(63.5,91.71) ; CN6.126 v1(51.5,91.71) ; v1(11.25,26.25) 11.25,25.57